# Altium PCB Room04.PcbDoc (part 2 of 2)
Units mil, origin at the board's own origin, x right, y up, seen from the top; angles counter-clockwise.
Board outline 4330.71 x 6653.54 mil, 2 copper layers (Top Layer, Bottom Layer); 102 components, 95 nets, 440 pads, 115 vias.
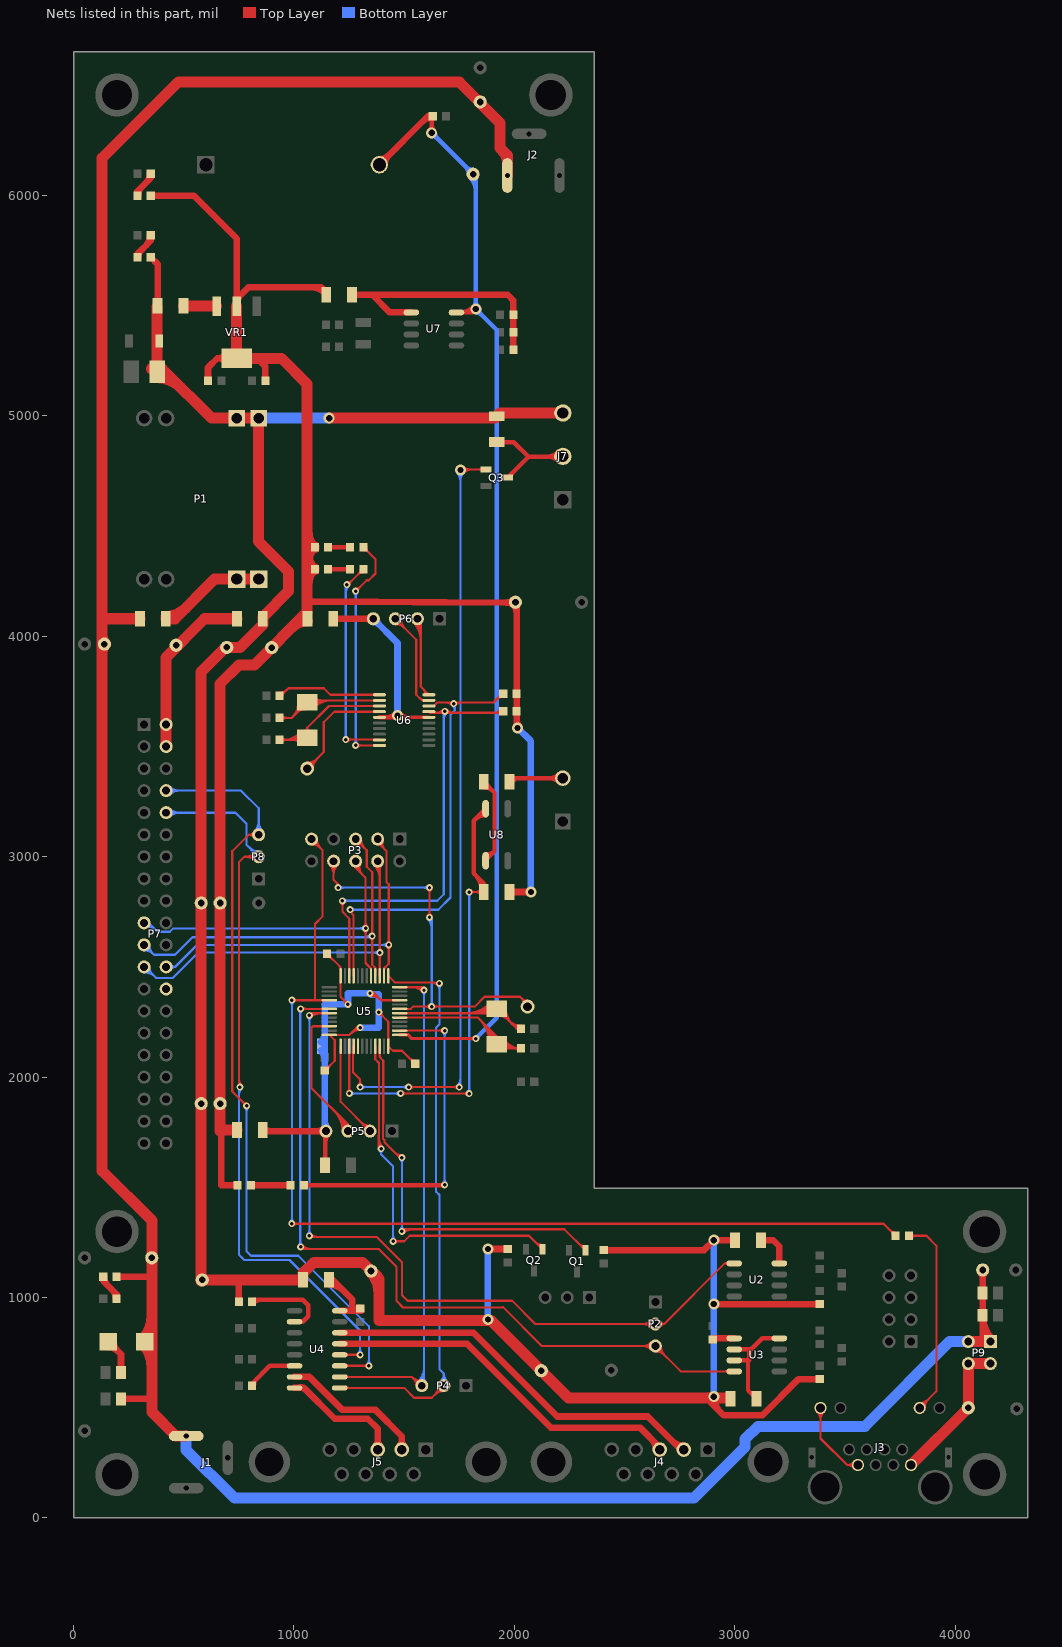
[diagram p2: the nets of this part, all layers, seen from the top]

## Via types
v1: diameter 31.5, hole 15.75, Top Layer to Bottom Layer, 82 vias
v2: diameter 50, hole 28, Top Layer to Bottom Layer, 33 vias

## Nets (pads, with @x,y where several pads share a name; then routed paths per layer and width w, separated by ;. In a path a pad name is that pad's centre, name@x,y a point inside that pad or via, vN(x,y) a via of type N, cw(c..) or ccw(c..) an arc to the next point about the centre after c; other vN are vias at no path point) (continued)
IO3_103: R33.1 U5.39 U8.4 | length 2766.3
  Top Layer w10: v1@1243.5,1933.7 ccw(c1225.15,1952.05) 1251.1,1952.05 ccw(c1277.05,1952.05) v1@1258.7,1933.7 ; v1(1251.1,1926.1) U5.39@1251.1,2140.55 ; v1(1483.9,1926.1) v1@1795,1926.1 ; v1@1491.5,1918.5 cw(c1509.85,1900.15) 1509.85,1926.1 cw(c1509.85,1952.05) v1@1491.5,1933.7 ; 1766.39,1926.1 cw(c1766.39,1896.39) v1@1787.4,1917.4 ; 1771.71,1926.1 ccw(c1771.71,1948.29) v1@1787.4,1932.6 ; v1(1795,2840) R33.1@1861.34,2840 ; v1@1802.6,2832.4 cw(c1820.95,2814.05) 1820.95,2840 cw(c1820.95,2865.95) v1@1802.6,2847.6 ; R33.1@1849.15,2827.81 ccw(c1819.71,2798.37) 1819.71,2840 ccw(c1819.71,2881.63) R33.1@1849.15,2852.19
  Top Layer w20: 1819.86,3167.97 cw(c1870,3117.83) U8.4@1870,3188.74 ; 1822.42,2917.58 cw(c1758.04,2853.19) R33.1@1849.09,2853.19 ; R33.1@1853.69,2862.75 ccw(c1840.97,2878.66) 1861.34,2878.66 ; 1854,3202.11 cw(c1870,3186.12) U8.4@1870,3208.74 ; 1856.57,2883.43 cw(c1826.32,2853.19) R33.1@1869.09,2853.19 ; R33.1@1861.34,2840 1861.34,2878.66 ; R33.1@1868.99,2862.75 cw(c1881.71,2878.66) 1861.34,2878.66 ; U8.4@1870,3218.11 1815,3163.11 1815,2925 1861.34,2878.66
  Bottom Layer w10: v1(1251.1,1926.1) v1(1483.9,1926.1) ; v1@1258.7,1918.5 cw(c1277.05,1900.15) 1277.05,1926.1 cw(c1277.05,1952.05) v1@1258.7,1933.7 ; v1@1476.3,1918.5 ccw(c1457.95,1900.15) 1457.95,1926.1 ccw(c1457.95,1952.05) v1@1476.3,1933.7 ; v1@1787.4,1932.6 ccw(c1769.05,1950.95) 1795,1950.95 ccw(c1820.95,1950.95) v1@1802.6,1932.6 ; v1@1787.4,2832.4 cw(c1769.05,2814.05) 1795,2814.05 cw(c1820.95,2814.05) v1@1802.6,2832.4 ; v1(1795,1925) v1(1795,2840)
IO4: J7.2 Q3.3 R35.1 | length 648.1
  Top Layer w20: R35.1@1920,4881.34 1997.87,4881.34 2064.21,4815 ; R35.1@1941.85,4872.68 cw(c1962.75,4851.78) 1962.75,4881.34 cw(c1962.75,4910.9) R35.1@1941.85,4890 ; Q3.3@1969.21,4720 2064.21,4815 ; Q3.3@1983.82,4720 cw(c2019.08,4720) 1994.15,4744.93 ; 2144.63,4815 ccw(c2144.63,4892.22) J7.2@2199.23,4837.62 ; 2153.56,4815 cw(c2153.56,4750.41) J7.2@2199.23,4796.08 ; J7.2@2220,4816.85 2218.15,4815 2064.21,4815
IO4_103: Q3.1 U5.40 | length 4034.3
  Top Layer w10: 1268.25,2103.27 cw(c1278.14,2103.27) U5.40@1271.15,2110.27 ; U5.40@1270.79,2140.55 1268.25,2138.02 1268.25,2021.75 1300,1990 v1(1300,1955) ; v1@1292.4,1962.6 ccw(c1274.05,1980.95) 1300,1980.95 ccw(c1325.95,1980.95) v1@1307.6,1962.6 ; v1(1520,1955) v1(1750,1955) ; v1@1527.6,1947.4 cw(c1545.95,1929.05) 1545.95,1955 cw(c1545.95,1980.95) v1@1527.6,1962.6 ; v1@1742.4,1947.4 ccw(c1724.05,1929.05) 1724.05,1955 ccw(c1724.05,1980.95) v1@1742.4,1962.6 ; v2(1755,4755) 1757.4,4757.4 Q3.1@1870.79,4757.4 ; v2@1762.07,4747.93 cw(c1784.94,4725.06) 1784.94,4757.4 ; v2@1769.14,4740.86 cw(c1809.08,4700.92) 1809.08,4757.4 ; v2@1769.14,4769.14 ccw(c1797.49,4797.49) 1797.49,4757.4 ; Q3.1@1853.75,4751.19 ccw(c1838.76,4736.21) 1838.76,4757.4 ccw(c1838.76,4778.6) Q3.1@1853.75,4763.61
  Bottom Layer w10: v1(1300,1955) v1(1520,1955) ; v1@1307.6,1947.4 cw(c1325.95,1929.05) 1325.95,1955 cw(c1325.95,1980.95) v1@1307.6,1962.6 ; v1@1512.4,1947.4 ccw(c1494.05,1929.05) 1494.05,1955 ccw(c1494.05,1980.95) v1@1512.4,1962.6 ; v2@1740.86,4740.86 cw(c1706.72,4706.72) 1755,4706.72 cw(c1803.28,4706.72) v2@1769.14,4740.86 ; v1@1742.4,1962.6 ccw(c1711.98,1993.02) 1755,1993.02 ; v1(1750,1955) 1760,1955 1755,1960 v2(1755,4755)
IO5_103: U5.41
LED3_030: D7.K U6.9 | length 1172.5
  Top Layer w10: v1(1235,3531.75) 1386.48,3531.75 U6.9@1387.8,3530.43 ; v1(1240,4235) 1240,4230 1260,4250 ; v1@1242.6,3524.15 cw(c1260.95,3505.8) 1260.95,3531.75 cw(c1260.95,3557.7) v1@1242.6,3539.35 ; v1@1242.78,4245.38 ccw(c1247.39,4262.61) 1260,4250 ; v1@1250.75,4235 cw(c1264.62,4235) 1254.81,4244.81 ; 1290.92,4280.6 cw(c1315.31,4256.21) D7.K@1315.31,4290.71 ; 1293.29,4282.98 ccw(c1272.26,4304.02) D7.K@1302.01,4304.02 ; D7.K@1315.31,4305 1260.31,4250 1260,4250 ; 1357.42,3531.75 cw(c1357.42,3522.7) U6.9@1363.82,3529.1
  Bottom Layer w10: v1@1227.4,3539.35 ccw(c1209.05,3557.7) 1235,3557.7 ccw(c1260.95,3557.7) v1@1242.6,3539.35 ; v1(1235,3531.75) 1235,4225 1240,4230 v1(1240,4235) ; 1235,4196.98 cw(c1278.02,4196.98) v1@1247.6,4227.4
LED4_030: D8.K U6.10 | length 1286.9
  Top Layer w10: v1(1280,4205) 1330,4255 1340,4255 1370,4285 1370,4350.31 D8.K@1315.31,4405 ; v1@1280,4215.75 ccw(c1280,4241.7) 1298.35,4223.35 ccw(c1316.7,4205) v1@1290.75,4205 ; v1@1280.16,3504.84 U6.10@1387.8,3504.84 ; v1@1287.6,3497.4 cw(c1305.57,3479.43) 1305.57,3504.84 ; v1@1287.6,3512.6 ccw(c1306.33,3531.33) 1306.33,3504.84 ; D8.K@1315.31,4390.71 cw(c1315.31,4356.21) 1339.71,4380.6 ; D8.K@1328.62,4404.02 ccw(c1358.37,4404.02) 1337.34,4382.98
  Bottom Layer w10: v1@1272.4,3512.6 ccw(c1254.05,3530.95) 1280,3530.95 ccw(c1305.95,3530.95) v1@1287.6,3512.6 ; v1@1272.4,4197.4 cw(c1254.05,4179.05) 1280,4179.05 cw(c1305.95,4179.05) v1@1287.6,4197.4 ; v1(1280,3505) v1(1280,4205)
LED_103: D6.K U5.2 | length 1710.9
  Top Layer w10: U5.2@1479.45,2211.42 v1(1683.58,2211.42) ; v1@1675.98,2203.82 ccw(c1657.63,2185.47) 1657.63,2211.42 ccw(c1657.63,2237.37) v1@1675.98,2219.02
  Top Layer w20: D6.K@1045.31,1510 v1@1683.58,1510 ; D6.K@1051.19,1504.13 cw(c1065.37,1489.94) 1065.37,1510 cw(c1065.37,1530.06) D6.K@1051.19,1515.87 ; 1666.28,1510 ccw(c1666.28,1528.72) v1@1679.52,1515.48
  Bottom Layer w10: v1@1675.98,1519.02 ccw(c1657.63,1537.37) 1683.58,1537.37 ccw(c1709.53,1537.37) v1@1691.18,1519.02 ; v1@1675.98,2203.82 cw(c1657.63,2185.47) 1683.58,2185.47 cw(c1709.53,2185.47) v1@1691.18,2203.82 ; v1(1683.58,1511.42) v1(1683.58,2211.42)
LED_FB: J3.7 J3.12 | length 563.8
  Top Layer w10: J3.12@3373.42,483.1 cw(c3334.91,444.59) 3389.37,444.59 cw(c3443.83,444.59) J3.12@3405.32,483.1 ; J3.12@3380.49,490.17 cw(c3359.05,468.73) 3389.37,468.73 cw(c3419.69,468.73) J3.12@3398.25,490.17 ; J3.12@3389.37,499.06 3389.37,360.63 3510,240 ; J3.7@3541.93,225.32 ccw(c3510,197.95) 3510,240 ; J3.7@3541.93,254.68 cw(c3510,282.05) 3510,240 ; J3.7@3559.06,240 3510,240
LED_ST: J3.10 R20.1 | length 1094.2
  Top Layer w10: R20.1@3790.31,1280 3870,1280 3915,1235 3915,574.68 J3.10@3839.37,499.06 ; R20.1@3799.72,1270.59 cw(c3822.44,1247.87) 3822.44,1280 cw(c3822.44,1312.13) R20.1@3799.72,1289.41 ; J3.10@3839.37,511.61 ccw(c3839.37,541.93) 3860.81,520.49 ccw(c3882.25,499.06) J3.10@3851.93,499.06 ; J3.10@3839.37,521.61 ccw(c3839.37,576.08) 3877.88,537.57 ccw(c3916.39,499.06) J3.10@3861.93,499.06
LEDST_103: P3.9 R20.2 U5.28 | length 5073.3
  Top Layer w10: v1(990,1335) 3674.68,1335 R20.2@3729.68,1280 ; v1(990.79,2349.21) 1095,2349.21 ; v1@997.6,1327.4 cw(c1015.95,1309.05) 1015.95,1335 cw(c1015.95,1360.95) v1@997.6,1342.6 ; v1@998.39,2341.61 cw(c1016.74,2323.26) 1016.74,2349.21 cw(c1016.74,2375.16) v1@998.39,2356.81 ; P3.9@1080,3055.47 cw(c1080,2996.26) 1121.87,3038.13 cw(c1163.74,3080) P3.9@1104.53,3080 ; P3.9@1080,3065.47 cw(c1080,3030.4) 1104.8,3055.2 cw(c1129.6,3080) P3.9@1094.53,3080 ; P3.9@1080,3080 1130,3030 1130,2730 1095,2695 1095,2349.21 ; U5.28@1160.55,2349.21 1095,2349.21 ; 3705.29,1304.4 ccw(c3729.68,1328.79) R20.2@3729.68,1294.29 ; 3707.66,1302.02 cw(c3686.63,1280.98) R20.2@3716.38,1280.98
  Bottom Layer w10: v1@982.4,1342.6 ccw(c962.15,1362.85) 990.79,1362.85 ; v1@983.19,2341.61 cw(c964.84,2323.26) 990.79,2323.26 cw(c1016.74,2323.26) v1@998.39,2341.61 ; v1@990.79,1335.79 v1(990.79,2349.21) ; 990.79,1359.05 ccw(c1014.05,1359.05) v1@997.6,1342.6
NetC6_1: C6.1 U4.2 | length 461.3
  Top Layer w20: C6.1@810.32,980 820.32,990 1040,990 1065,965 1065,915 1040,890 U4.2@1002.64,890 ; C6.1@816.19,975.11 cw(c852.14,939.16) 852.14,990 ; U4.2@1026.26,891.81 ccw(c1026.26,929.35) 1052.81,902.81
NetC9_2: C9.2 R16.1 U4.16 | length 407.7
  Top Layer w30: R16.1@1158.66,1059.57 cw(c1158.66,970.79) 1221.43,1033.57 ; R16.1@1158.66,1080 1175,1080 1265,990 1265,940 ; R16.1@1158.66,1089.57 cw(c1158.66,1073.22) R16.1@1170.22,1084.78 ; U4.16@1207.36,940 1265,940 ; 1266.13,940 ccw(c1266.13,983.2) C9.2@1296.68,952.65 ; C9.2@1305,940 1265,940
NetC10_2: C10.2 U4.6 | length 269.1
  Top Layer w20: C10.2@810.32,600 810.32,610.32 890,690 U4.6@1002.64,690 ; C10.2@818.62,600.98 cw(c861.2,600.98) 831.09,631.09
NetD2_1: D2.1 R2.2 | length 256.3
  Top Layer w30: D2.1@157.32,775.63 cw(c157.32,716.8) 198.93,758.4 cw(c240.53,800) D2.1@181.69,800 ; D2.1@157.32,800 215.04,742.28 R2.2@215.04,660
NetD3_A: D3.A R3.1 | length 201.9
  Top Layer w30: R3.1@134.69,1095 134.69,1075.31 195.32,1014.68 D3.A@195.32,1001.67 ; R3.1@137.99,1094.02 ccw(c191.12,1094.02) 153.55,1056.45 ; 176.45,1033.55 cw(c138.88,995.98) D3.A@192.01,995.98
NetD4_A: D4.A R4.1 | length 201.9
  Top Layer w30: R4.1@289.69,5726.67 289.69,5734.69 350.32,5795.32 D4.A@350.32,5820 ; R4.1@292.99,5720.98 cw(c334.05,5720.98) 305.02,5750.02 ; 327.91,5772.91 ccw(c281.81,5819.02) D4.A@347.01,5819.02
NetD5_A: D5.A R5.1 | length 208.6
  Top Layer w30: R5.1@289.69,6000 289.69,6019.69 350.32,6080.32 D5.A@350.32,6100 ; R5.1@292.99,6000.98 cw(c346.12,6000.98) 308.55,6038.55 ; 331.45,6061.45 ccw(c293.88,6099.02) D5.A@347.01,6099.02
NetD6_A: D6.A R19.1 | length 179.4
  Top Layer w30: R19.1@805.31,1510 D6.A@984.68,1510
NetD7_A: D7.A R27.1 | length 162.4
  Top Layer w20: R27.1@1155.31,4305 D7.A@1254.68,4305 ; R27.1@1161.19,4299.13 cw(c1175.37,4284.94) 1175.37,4305 cw(c1175.37,4325.06) R27.1@1161.19,4310.87 ; D7.A@1248.81,4299.13 ccw(c1234.63,4284.94) 1234.63,4305 ccw(c1234.63,4325.06) D7.A@1248.81,4310.87
NetD8_A: D8.A R28.1 | length 162.4
  Top Layer w20: R28.1@1155.31,4405 D8.A@1254.68,4405 ; R28.1@1161.19,4399.13 cw(c1175.37,4384.94) 1175.37,4405 cw(c1175.37,4425.06) R28.1@1161.19,4410.87 ; D8.A@1248.81,4399.13 ccw(c1234.63,4384.94) 1234.63,4405 ccw(c1234.63,4425.06) D8.A@1248.81,4410.87
NetJ6_2: J6.2 R34.1 | length 401.9
  Top Layer w20: R34.1@1980,3330 2006.85,3356.85 ; R34.1@1987.32,3344.53 cw(c2017.06,3314.79) 2017.06,3356.85 ; R34.1@1989.14,3346.86 cw(c2006.85,3336.16) 2006.85,3356.85 ; J6.2@2202.02,3338.87 ccw(c2158.6,3295.45) 2158.6,3356.85 ccw(c2158.6,3418.25) J6.2@2202.02,3374.83 ; J6.2@2220,3356.85 2006.85,3356.85
NetP1_3: P1.3 P1.4 R1.2 | length 594.1
  Top Layer w50: R1.2@418.66,4080 460,4080 640,4260 P1.3@740,4260 P1.4@840,4260 ; R1.2@418.66,4090.43 ccw(c418.66,4215.42) 507.04,4127.04
NetR6_2: R6.2 VR1.3 | length 148.9
  Top Layer w50: R6.2@498.66,5500 VR1.3@647.56,5500
NetR7_2: R7.2 U2.8 | length 172.7
  Top Layer w30: R7.2@3118.66,1260 3175,1260 3202.36,1232.64 U2.8@3202.36,1155
NetR8_2: R8.2 U3.2 U3.3 U3.8 | length 559.7
  Top Layer w20: U3.3@2997.64,715 3065,715 3065,765 3075,765 3125,815 U3.8@3202.36,815 ; U3.2@2997.64,765 3060,765 ; 3060,715 3060,578.66 R8.2@3098.66,540 ; 3066.6,572.07 ccw(c3086.83,592.3) R8.2@3095.12,564.91
NetR14_2: R14.2 U3.1 | length 112.8
  Top Layer w30: R14.2@2903.32,807.35 cw(c2921.8,788.87) 2921.8,815 ; R14.2@2905.32,815 U3.1@2997.64,815
NetR26_2: R26.2 U6.1 | length 529.8
  Top Layer w10: R26.2@935.32,3730 940,3730 975,3765 1135.31,3765 1165.16,3735.16 U6.1@1387.8,3735.16 ; R26.2@935.32,3744.29 ccw(c935.32,3790.1) 967.71,3757.71 ; R26.2@948.62,3730.98 cw(c967.06,3730.98) 954.02,3744.02
NetR34_2: R34.2 U8.1 | length 486.2
  Top Layer w20: R34.2@1861.34,3314.57 cw(c1861.34,3253.17) 1904.76,3296.58 ; R34.2@1861.34,3340 1910,3291.34 1910,3025 ; U8.1@1870,2981.89 1870,2985 1910,3025 ; U8.1@1870.64,3011.22 ccw(c1876.02,3058.98) 1910,3025
NEX_CON1: Q2.1 U5.45 | length 1883.2
  Top Layer w10: U5.45@1369.21,2140.55 1369.21,2080.79 1385.53,2064.47 1385.53,1738.21 1385,1737.69 1385,1685 v1(1395,1675) ; 1385,1700.95 ccw(c1420.95,1700.95) v1@1395.53,1675.53 ; 1385,1725.09 ccw(c1445.09,1725.09) v1@1402.6,1682.6 ; v1(1450,1255) 1500,1255 1525,1280 2066.61,1280 Q2.1@2127.4,1219.21 ; v1@1457.6,1247.4 cw(c1475.95,1229.05) 1475.95,1255 cw(c1475.95,1280.95) v1@1457.6,1262.6 ; 2093.93,1252.68 ccw(c2127.4,1286.15) Q2.1@2127.4,1238.82 ; 2111,1235.61 ccw(c2127.4,1252.01) Q2.1@2127.4,1228.82
  Bottom Layer w10: v1@1387.61,1667.2 cw(c1371.3,1650) 1395,1650 ; v1(1395,1675) 1395,1650 ; v1@1402.39,1667.2 ccw(c1418.7,1650) 1395,1650 ; v1@1442.4,1262.6 ccw(c1424.05,1280.95) 1450,1280.95 ccw(c1475.95,1280.95) v1@1457.6,1262.6 ; v1(1450,1255) 1450,1595 1395,1650
NEX_CON2: Q1.1 U5.46 | length 2007.9
  Top Layer w10: U5.46@1388.9,2140.55 1388.9,2091.1 1405,2075 1405,1789.61 1404.47,1789.08 1404.47,1720.92 1410.92,1714.47 1410.92,1704.08 1480,1635 v1(1490,1635) ; 1454.58,1660.42 ccw(c1490,1695.84) v1@1490,1645.75 ; 1471.65,1643.35 ccw(c1490,1661.7) v1@1490,1635.75 ; v1@1490.53,1299.47 cw(c1515.95,1274.05) 1515.95,1310 ; v1@1497.6,1292.4 cw(c1540.09,1249.91) 1540.09,1310 ; v1@1500,1310 2226.61,1310 Q1.1@2322.4,1214.21 ; 2288.93,1247.68 ccw(c2322.4,1281.15) Q1.1@2322.4,1233.82 ; 2306,1230.61 ccw(c2322.4,1247.01) Q1.1@2322.4,1223.82
  Bottom Layer w10: v1@1482.4,1307.6 ccw(c1464.05,1325.95) 1490,1325.95 ccw(c1515.95,1325.95) v1@1497.6,1307.6 ; v1@1482.4,1627.4 cw(c1464.05,1609.05) 1490,1609.05 cw(c1515.95,1609.05) v1@1497.6,1627.4 ; v1(1490,1300) v1@1490,1620
NRST: P3.8 T1.1 U5.7 | length 2320.8
  Top Layer w10: P3.8@1162.66,2962.66 cw(c1120.79,2920.79) 1180,2920.79 cw(c1239.21,2920.79) P3.8@1197.34,2962.66 ; P3.8@1169.73,2969.73 cw(c1144.93,2944.93) 1180,2944.93 cw(c1215.07,2944.93) P3.8@1190.27,2969.73 ; P3.8@1180,2980 1180,2895 1200,2875 v1(1200,2860) ; 1188.89,2886.11 cw(c1163.84,2861.06) v1@1199.25,2860.02 ; U5.7@1479.45,2309.84 1529.84,2309.84 1540,2320 v1(1625,2320) 1820,2320 1865,2365 2025,2365 2060,2330 T1.1@2060,2320 ; v1@1607.4,2732.6 ccw(c1589.05,2750.95) 1615,2750.95 ccw(c1640.95,2750.95) v1@1622.6,2732.6 ; v1@1607.4,2852.4 cw(c1589.05,2834.05) 1615,2834.05 cw(c1640.95,2834.05) v1@1622.6,2852.4 ; v1(1615,2725) v1(1615,2860) ; v1@1617.4,2312.4 ccw(c1599.05,2294.05) 1599.05,2320 ccw(c1599.05,2345.95) v1@1617.4,2327.6 ; v1@1632.6,2312.4 cw(c1650.95,2294.05) 1650.95,2320 cw(c1650.95,2345.95) v1@1632.6,2327.6 ; 2031.84,2358.16 ccw(c2060,2386.32) T1.1@2060,2346.5 ; 2033.41,2356.59 cw(c2006.79,2329.98) T1.1@2043.79,2323.04
  Bottom Layer w10: v1(1200,2860) v1(1615,2860) ; v1@1207.6,2852.4 cw(c1225.95,2834.05) 1225.95,2860 cw(c1225.95,2885.95) v1@1207.6,2867.6 ; v1@1607.4,2717.4 cw(c1564.91,2674.91) 1625,2674.91 ; v1@1607.4,2852.4 ccw(c1589.05,2834.05) 1589.05,2860 ccw(c1589.05,2885.95) v1@1607.4,2867.6 ; v1@1614.47,2724.47 cw(c1589.05,2699.05) 1625,2699.05 ; v1(1615,2725) 1625,2715 v1(1625,2320) ; v1@1617.4,2327.6 ccw(c1599.05,2345.95) 1625,2345.95 ccw(c1650.95,2345.95) v1@1632.6,2327.6
NRST_030: T2.1 U6.4 | length 676.9
  Top Layer w10: T2.1@1060,3400 1135,3475 1135,3610 1183.39,3658.39 U6.4@1387.8,3658.39 ; T2.1@1060,3416.5 ccw(c1060,3456.32) 1088.16,3428.16 ccw(c1116.32,3400) T2.1@1076.5,3400 ; T2.1@1060,3426.5 ccw(c1060,3490.46) 1105.23,3445.23 ccw(c1150.46,3400) T2.1@1086.5,3400
OSC32_IN: C11.2 U5.5 Y1.1 | length 1336.6
  Top Layer w10: U5.5@1479.45,2270.47 1834.53,2270.47 Y1.1@1920,2185 ; 1839.71,2265.29 cw(c1723.7,2149.29) Y1.1@1887.76,2149.29 ; 1856.78,2248.22 cw(c1757.85,2149.29) Y1.1@1897.76,2149.29 ; 1873.85,2231.15 cw(c1791.99,2149.29) Y1.1@1907.76,2149.29 ; 1890.92,2214.08 cw(c1826.13,2149.29) Y1.1@1917.76,2149.29 ; 1907.99,2197.01 cw(c1860.27,2149.29) Y1.1@1927.76,2149.29 ; Y1.1@1931.8,2150.68 ccw(c1971.74,2178.9) 1971.74,2130 ; Y1.1@1939.29,2130 C11.2@2029.68,2130 cw(c2029.68,2219.86) Y1.1@1956.3,2167.99 ; Y1.1@1939.97,2156.45 ccw(c1991.05,2192.56) 1991.05,2130 ; Y1.1@1948.14,2162.22 ccw(c2010.37,2206.21) 2010.37,2130 ; C11.2@2020.28,2120.59 ccw(c1997.56,2097.87) 1997.56,2130 ccw(c1997.56,2162.13) C11.2@2020.28,2139.41
OSC32_OUT: C12.2 U5.6 Y1.2 | length 1359.6
  Top Layer w10: U5.6@1479.45,2290.16 Y1.2@1899.45,2290.16 ; 1782.32,2290.16 ccw(c1782.32,2438.55) Y1.2@1887.25,2333.62 ; 1806.46,2290.16 ccw(c1806.46,2414.41) Y1.2@1894.32,2326.55 ; 1830.6,2290.16 ccw(c1830.6,2390.26) Y1.2@1901.39,2319.48 ; 1854.74,2290.16 ccw(c1854.74,2366.12) Y1.2@1908.46,2312.41 ; Y1.2@1878.89,2290.16 ccw(c1878.89,2341.98) Y1.2@1915.53,2305.34 ; Y1.2@1920,2310.71 2010.71,2220 ; Y1.2@1929.84,2278.31 cw(c1929.84,2223.85) 1968.35,2262.36 ; Y1.2@1929.84,2288.31 cw(c1929.84,2257.99) Y1.2@1951.28,2279.43 ; Y1.2@1942.24,2310.71 ccw(c1995.95,2310.71) 1957.97,2272.74 ; Y1.2@1952.24,2310.71 ccw(c2030.09,2310.71) 1975.04,2255.66 ; Y1.2@1962.24,2310.71 ccw(c2064.23,2310.71) 1992.12,2238.59 ; 1972.89,2257.82 ccw(c2029.68,2314.61) C12.2@2029.68,2234.29 ; 1989.96,2240.74 ccw(c2029.68,2280.46) C12.2@2029.68,2224.29 ; 2007.04,2223.67 ccw(c2029.68,2246.32) C12.2@2029.68,2214.29 ; C12.2@2017.17,2215.47 ccw(c2010.71,2213.12) 2010.71,2220 ; C12.2@2017.17,2224.53 cw(c2010.71,2226.88) 2010.71,2220 ; C12.2@2029.68,2220 2010.71,2220
OSC_IN: C15.2 U6.2 Y2.1 | length 987.1
  Top Layer w10: C15.2@935.32,3630 989.29,3630 Y2.1@1060,3700.71 ; C15.2@944.72,3620.59 cw(c967.44,3597.87) 967.44,3630 cw(c967.44,3662.13) C15.2@944.72,3639.41 ; 994.22,3634.92 ccw(c936.66,3692.48) Y2.1@1017.84,3698.36 ; 1009.68,3650.39 ccw(c965.5,3694.57) Y2.1@1027.81,3699.09 ; 1011.65,3652.36 cw(c1050.16,3613.85) Y2.1@1050.16,3668.31 ; Y2.1@1025.14,3665.85 ccw(c994.33,3696.66) Y2.1@1037.79,3699.81 ; Y2.1@1028.72,3669.43 cw(c1050.16,3647.99) Y2.1@1050.16,3678.31 ; Y2.1@1068.86,3709.57 U6.2@1387.8,3709.57 ; Y2.1@1078.61,3691.94 cw(c1121.17,3649.38) 1121.17,3709.57 ; Y2.1@1085.68,3684.87 cw(c1145.31,3625.24) 1145.31,3709.57 ; Y2.1@1092.75,3677.8 cw(c1169.45,3601.1) 1169.45,3709.57 ; Y2.1@1092.75,3723.62 ccw(c1126.68,3757.55) 1126.68,3709.57
OSC_OUT: C16.2 U6.3 Y2.2 | length 871.8
  Top Layer w10: C16.2@935.32,3530 1050.71,3530 Y2.2@1060,3539.29 1060,3585 ; C16.2@944.72,3520.59 cw(c967.44,3497.87) 967.44,3530 cw(c967.44,3562.13) C16.2@944.72,3539.41 ; C16.2@949.5,3530 ccw(c949.5,3639.95) Y2.2@1027.25,3562.2 ; 973.64,3530 ccw(c973.64,3615.8) Y2.2@1034.32,3555.13 ; 994.36,3530 cw(c994.36,3483.5) Y2.2@1027.25,3516.38 ; 997.79,3530 ccw(c997.79,3591.66) Y2.2@1041.39,3548.06 ; Y2.2@1049.27,3569.87 ccw(c1043.96,3585) 1060,3585 ; Y2.2@1070.73,3569.87 cw(c1076.04,3585) 1060,3585 ; U6.3@1387.8,3683.98 1158.98,3683.98 1060,3585
RASPI_RX: J4.3 U4.13 | length 1701.1
  Top Layer w30: U4.13@1207.36,790 1785,790 2165,410 2570,410 J4.3@2660,320 ; 2621.69,358.31 cw(c2573.3,309.92) J4.3@2641.73,309.92
RASPI_TX: J4.2 U4.14 | length 1842.4
  Top Layer w30: U4.14@1207.36,840 1815,840 2195,460 2605,460 2755.08,309.92 J4.2@2769.06,309.92 ; 2714.01,350.99 ccw(c2769.06,406.03) J4.2@2769.06,328.19
RU0RX: P7.10 P8.2 U4.12 | length 3953.6
  Top Layer w10: v1@750,1955 750,2975 775,3000 P8.2@840,3000 ; 750,1993.02 ccw(c793.02,1993.02) v1@762.6,1962.6 ; P8.2@822.66,2982.66 ccw(c780.79,2940.79) 780.79,3000 ccw(c780.79,3059.21) P8.2@822.66,3017.34 ; P8.2@829.73,2989.73 ccw(c804.93,2964.93) 804.93,3000 ccw(c804.93,3035.07) P8.2@829.73,3010.27 ; U4.12@1207.36,740 v1(1300,740) ; U4.12@1235.8,735.18 cw(c1247.43,723.56) 1247.43,740 cw(c1247.43,756.44) U4.12@1235.8,744.82 ; v1@1292.4,732.4 ccw(c1274.05,714.05) 1274.05,740 ccw(c1274.05,765.95) v1@1292.4,747.6
  Bottom Layer w10: P7.10@420,3200 735,3200 785,3150 785,3055 P8.2@840,3000 ; P7.10@430.27,3189.73 cw(c455.07,3164.93) 455.07,3200 cw(c455.07,3235.07) P7.10@430.27,3210.27 ; P7.10@437.34,3182.66 cw(c479.21,3140.79) 479.21,3200 cw(c479.21,3259.21) P7.10@437.34,3217.34 ; 750,1916.98 cw(c793.02,1916.98) v1@762.6,1947.4 ; v1@750,1955 750,1195 775,1170 980,1170 1300,850 v1(1300,740) ; P8.2@815.47,3000 ccw(c756.26,3000) 798.13,3041.87 ccw(c840,3083.74) P8.2@840,3024.53 ; P8.2@825.47,3000 ccw(c790.4,3000) 815.2,3024.8 ccw(c840,3049.6) P8.2@840,3014.53 ; v1@1292.4,747.6 ccw(c1274.05,765.95) 1300,765.95 ccw(c1325.95,765.95) v1@1307.6,747.6
  other v1: 755,1955
RU0TX: P7.8 P8.3 U4.11 | length 4117.6
  Top Layer w10: v1@774.25,1870 ccw(c748.3,1870) 766.65,1888.35 ccw(c785,1906.7) v1@785,1880.75 ; v1(785,1870) 720,1935 720,3025 795,3100 ; P8.3@819.39,3086.71 ccw(c795,3070.99) 795,3100 ; P8.3@819.39,3113.29 cw(c795,3129.01) 795,3100 ; P8.3@840,3100 795,3100 ; U4.11@1207.36,690 v1(1340,690) ; U4.11@1235.8,685.18 cw(c1247.43,673.56) 1247.43,690 cw(c1247.43,706.44) U4.11@1235.8,694.82 ; v1@1332.4,682.4 ccw(c1314.05,664.05) 1314.05,690 ccw(c1314.05,715.95) v1@1332.4,697.6